# Altium PCB SJ2088POE.PcbDoc (part 4 of 6)
Units mm, origin at the board's own origin, x right, y up, seen from the top; angles counter-clockwise.
Board outline 108 x 50 mm, 6 copper layers (Top Copper, Signal Layer 1, Signal Layer 2, Signal Layer 3, Signal Layer 4, Bottom Copper), stack 1.597 mm thick; 309 components, 234 nets, 1140 pads, 893 vias.
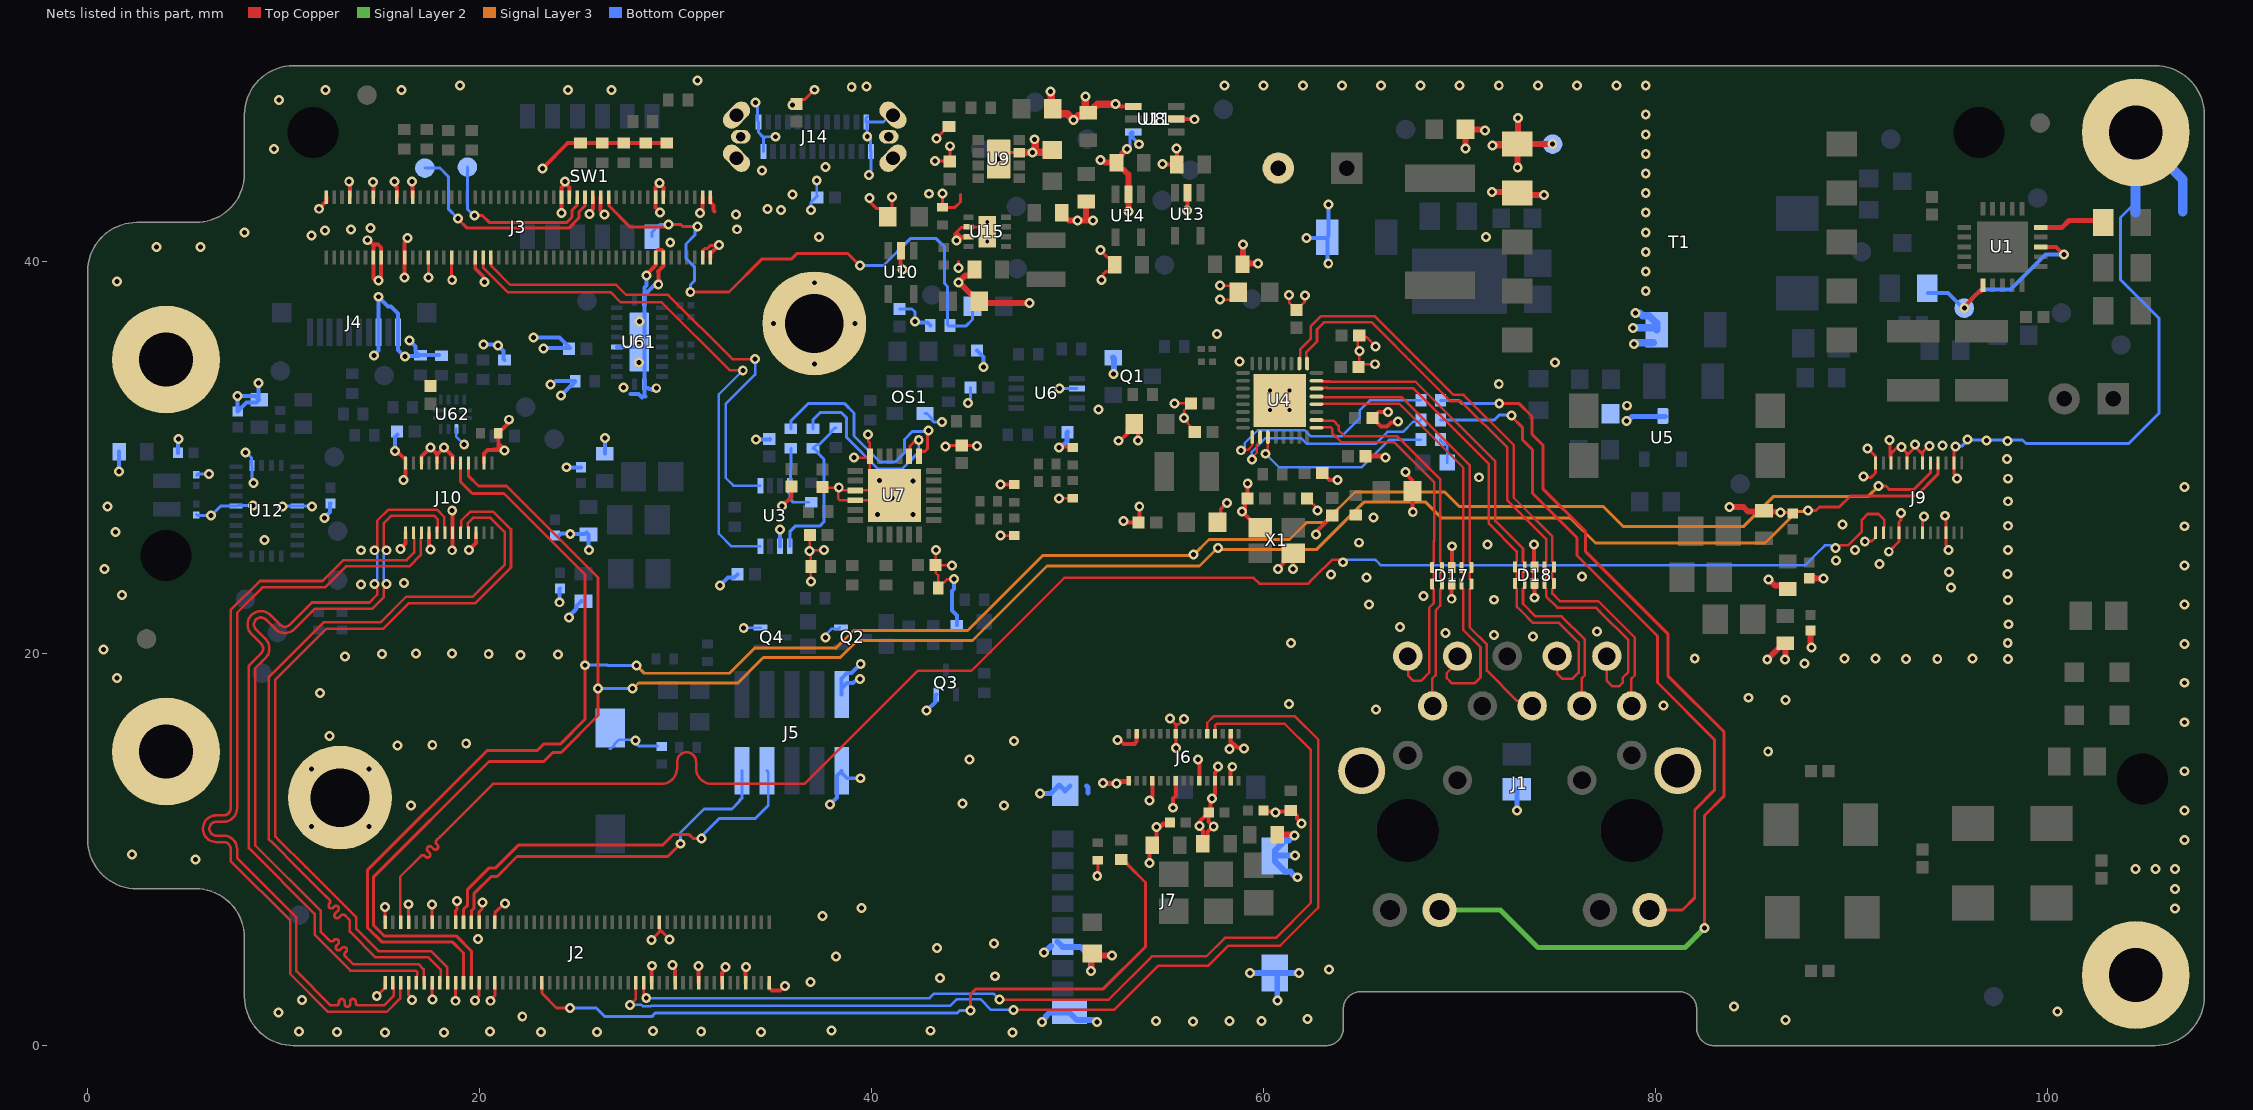
[diagram p8: the nets of this part, all layers, seen from the top]

## Via types
v1: diameter 0.508, hole 0.254, Top Copper to Bottom Copper, tented both sides, 883 vias
v2: diameter 0.406, hole 0.203, Top Copper to Bottom Copper, 10 vias

## Nets (pads, with @x,y where several pads share a name; then routed paths per layer and width w, separated by ;. In a path a pad name is that pad's centre, name@x,y a point inside that pad or via, vN(x,y) a via of type N, cw(c..) or ccw(c..) an arc to the next point about the centre after c; other vN are vias at no path point) (continued)
GND: B1.1 C6.1 C7.2 C9.1 C18.1 C19.1 C20.2 C21.1 C25.2 C27.2 C28.2 C29.2 C30.2 C31.2 C32.1 C34.1 C36.1 C37.1 C38.1 C39.1 C40.1 C41.1 C42.1 C43.1 C44.1 C45.1 C46.1 C47.1 C48.1 C49.1 C50.1 C52.1 C53.1 C55.1 C56.1 C57.2 C58.1 C59.1 C60.1 C61.1 C62.1 C63.1 C64.1 C65.1 C66.1 C67.1 C68.1 C69.1 C70.1 C71.1 C72.1 C73.1 C74.1 C75.1 C76.1 C77.1 C78.1 C79.1 C80.1 C81.1 C82.1 C83.1 C84.1 C85.1 C86.1 C87.1 C88.1 C89.1 C90.1 C91.1 C92.1 C93.1 C94.2 C95.1 C96.1 C97.1 C207.1 D17.3 D17.8 D18.3 D18.8 J1.19 J1.20 J2.1 J2.7 J2.13 J2.19 J2.25 J2.30 J2.31 J2.71 J2.72 J2.75 J2.76 J2.81 J2.82 J2.87 J2.88 J2.93 J2.94 J2.99 J2.100 J3.1 J3.2 J3.3 J3.4 J3.13 J3.14 J3.15 J3.16 J3.30 J3.32 J3.38 J3.40 J3.61 J3.67 J3.73 J3.78 J3.79 J3.82 J3.85 J3.87 J3.88 J3.94 J3.100 J4.8 J4.10 J5.9 J5.10 J6.1 J6.4 J6.7 J6.10 J6.12 J6.14 J6.17 J6.24 J6.29 J7.6 J7.11 J7.12 J7.13 J7.14 J9.3 J9.6 J9.9 J9.12 J9.13 J9.15 J9.17 J9.19 J9.23 J10.3 J10.6 J10.9 J10.12 J10.13 J10.15 J10.17 J10.19 J10.23 J14.A1 J14.A12 J14.B1 J14.B12 J14.SH1 J14.SH2 J14.SH3 J14.SH4 J14.SH5 J14.SH6 MH1.1 MH2.1 MP1.1 MP2.1 MP3.1 MP4.1 OS1.2 Q1.2 Q2.2 Q3.2 Q4.2 R15.1 R19.2 R20.2 R21.2 R22.2 R23.2 R31.2 R32.2 R40.2 R41.1 R42.1 R43.1 R44.2 R45.2 R48.1 R52.1 R62.2 R63.2 R67.1 R69.2 R70.2 R71.2 R81.2 R183.1 R185.2 T1.9 T1.10 TP9.1 U3.2 U4.33 U5.3 U6.2 U7.3 U7.4 U7.24 U7.25 U8.2 U8.4 U9.3 U9.9 U10.2 U11.2 U11.4 U12.2 U12.10 U12.25 U13.2 U14.2 U15.2 U15.3 U15.9 U61.5 U61.11 U61.20 U61.21 U62.10 X1.2 X1.4 | length 389.4
  Top Copper w0.127: C28.2@36.85,26.05 36.85,25.219 v1@36.823,25.192 ; v1(36.9,23.677) 36.9,24.375 R44.2@36.9,24.45 36.9,25.012 36.823,25.089 v1@36.823,25.192 ; v1(37.575,25.278) 37.055,25.278 37.034,25.3 36.926,25.192 v1@36.823,25.192 ; C30.2@37.613,28.477 v1(38.323,28.477) v1@38.423,28.477 ; v1(39.098,30.007) 39.843,30.007 U7.24@39.913,30.077 ; v1(39.822,31.18) 39.822,30.834 39.913,30.743 U7.24@39.913,30.077 ; U7.24@39.827,30.163 U7.24@39.913,30.077 ; v1(43.278,25.285) 43.278,24.542 C29.2@43.263,24.527 ; R45.2@43.4,23.35 R45.2@43.4,23.4 ; v1(44.1,24.5) 43.29,24.5 C29.2@43.263,24.527 ; v1(44.2,23.8) 44.188,23.788 43.838,23.788 43.662,23.612 43.612,23.612 R45.2@43.4,23.4 ; v1(46.565,26.025) R41.1@47.275,26.025 ; v1(49.553,27.927) R43.1@50.263,27.927 ; v1(49.553,30.527) R42.1@50.263,30.527 ; v1(55.452,32.764) C44.1@56.295,32.764 ; v1@55.933,32.063 v1@55.886,32.063 ; C44.1@56.298,32.767 C44.1@56.295,32.764 ; C34.1@56.375,31.5 56.129,31.747 56.129,31.821 v1@55.886,32.063 ; C44.1@56.492,32.831 56.425,32.764 C44.1@56.295,32.764 ; v1(57.775,38.78) 58.372,38.78 C39.1@58.714,38.438 58.339,38.063 v1(57.787,38.063) ; C64.1@58.925,39.875 58.944,39.894 58.955,39.882 C64.1@58.983,39.91 ; v1(61.3,38.3) 61.3,37.91 C41.1@61.681,37.529 62.091,37.938 62.091,38.24 v1(62.117,38.266) ; C49.1@62.223,27.925 62.743,27.405 v1(62.743,27.307) ; v1(65.674,34.768) 65.667,34.775 64.84,34.775 64.887,34.822 v1(64.887,35.454) 64.887,35.557 64.813,35.631 64.813,36.15 65.243,36.15 65.706,35.687 v1(65.706,35.671) ; v1@38.423,28.477 38.3,28.353 38.3,27.901 38.374,27.827 U7.4@39.163,27.827 40.913,27.827 v1(41.038,27.952) U7.25@41.163,28.077 U7.25@40.913,28.327 ; v1@38.423,28.477 38.573,28.327 U7.3@39.163,28.327 U7.25@40.913,28.327 ; U7.24@39.913,30.077 39.913,29.327 v1(40.413,28.827) U7.25@40.913,28.327 ; C29.2@43.263,24.527 43.263,24.127 43.4,23.99 R45.2@43.4,23.4 ; v1@55.886,32.063 55.85,32.1 55.924,32.1 55.95,32.126 55.95,32.42 C44.1@56.295,32.764
  Top Copper w0.152: v1(14.749,2.532) 15.152,2.936 15.161,2.936 15.175,2.95 J2.99@15.175,3.21 ; v1(15.159,7.075) 15.175,7.059 J2.100@15.175,6.29 ; v1(16.37,7.213) 16.37,6.295 J2.94@16.375,6.29 ; J2.93@16.375,3.21 16.375,2.584 16.54,2.419 v1(16.54,2.322) ; J3.73@17.375,40.21 17.388,40.197 v1(17.388,39.189) ; J2.87@17.575,3.21 17.575,2.383 v1(17.603,2.354) ; J2.88@17.574,6.291 v1(17.574,7.196) ; J3.67@18.575,40.21 18.575,39.1 v1(18.6,39.075) ; v1(18.756,2.288) 18.775,2.307 J2.81@18.775,3.21 ; J2.82@18.775,6.29 18.775,6.886 18.855,6.966 v1(18.855,7.382) ; v1(19.762,2.297) 19.762,2.352 19.975,2.564 J2.75@19.975,3.21 ; J2.76@19.975,6.29 19.975,6.827 20.116,6.967 20.116,7.271 v1(20.153,7.308) ; v1(20.545,2.288) 20.545,2.325 20.775,2.555 J2.71@20.775,3.21 ; J2.72@20.775,6.29 20.775,6.775 21.24,7.24 v1(21.284,7.24) ; v1(28.767,5.395) 29.175,5.804 J2.30@29.175,6.29 29.189,6.276 29.189,5.919 v1(29.683,5.424) ; J3.3@31.375,40.21 31.389,40.224 31.389,40.587 31.474,40.672 31.631,40.672 31.792,40.833 v1@32.194,40.833 ; C73.1@36.175,48.05 36.399,48.274 36.589,48.274 v1(37.088,48.773) ; v1(39.903,43.242) 39.903,43.057 40.258,42.701 40.451,42.701 40.825,42.328 C59.1@40.825,42.303 ; C59.1@40.451,41.876 40.825,42.25 C59.1@40.825,42.3 C59.1@40.825,42.303 ; v1(41.028,43.294) 41.028,42.55 41.05,42.528 C59.1@40.825,42.303 ; v1(43.234,45.143) 43.97,45.143 43.998,45.172 v1(43.998,45.891) ; v1(43.299,46.291) 43.701,46.693 43.701,46.701 43.9,46.9 R69.2@43.95,46.9 ; v1@43.614,43.475 R52.1@43.614,42.776 44.259,42.776 44.529,43.046 44.529,43.42 ; v1@43.75,30.6 43.775,30.625 C27.2@44.6,30.625 45.363,30.625 v1(45.386,30.602) ; v1@44.228,41.287 v1@44.302,41.213 ; v1(44.432,39.669) 44.432,40.018 ; C68.1@44.976,39.974 45.25,39.7 C68.1@45.25,39.6 45.25,39.5 C68.1@45.052,39.302 ; v1(46.485,45.233) 46.834,45.583 v1(48.202,45.583) ; C56.1@48.787,46.075 48.837,46.075 C56.1@49.211,45.702 ; C67.1@49.625,42.45 49.899,42.176 49.999,42.176 50.075,42.1 ; 50.85,42.1 50.945,42.195 ; v1(50.905,48.429) 50.945,48.388 C62.1@50.945,47.696 ; v1@51.132,42.168 51.136,42.168 51.2,42.104 51.2,42.1 v1(51.3,42.1) ; v1(51.513,8.645) 51.55,8.682 R70.2@51.55,9.55 ; v1(51.674,40.6) 51.674,40.577 52.026,40.224 52.126,40.224 52.4,39.95 C66.1@52.4,39.85 52.4,39.765 52.126,39.491 51.941,39.491 51.795,39.345 51.795,39.13 v1(51.727,39.062) ; v1(51.678,45.181) 51.775,45.181 51.901,45.054 ; C65.1@52.766,45.473 52.766,45.328 C65.1@52.492,45.054 52.492,44.954 52.766,44.68 52.866,44.68 ; v1(55.227,16.684) 55.523,16.388 ; v1@55.523,15.2 J6.24@55.523,15.912 55.523,16.388 ; v1(55.945,16.675) 55.658,16.388 55.523,16.388 ; v1(71.673,45.93) v1@71.742,46 ; T1.10@72.88,45.93 T1.10@72.95,46 ; v1@86.374,27.188 86.384,27.198 86.952,27.198 C88.1@87,27.15 ; v1(90.6,29.039) 90.661,29.039 90.668,29.032 90.835,29.032 90.867,29 91,29 91.223,29.223 J9.13@91.223,29.725 91.223,30.077 90.841,30.459 v1(90.822,30.459) ; v1@90.768,25.697 90.814,25.743 91.039,25.743 91.221,25.925 91.223,25.927 J9.12@91.223,26.175 ; v1(91.9,25.2) 92.423,25.723 J9.9@92.423,26.175 92.423,26.723 92.517,26.817 92.517,27.157 v1(92.536,27.176) ; v1@91.964,30.884 91.964,30.033 92.023,29.974 92.023,30.223 92.296,30.496 92.565,30.496 92.823,30.238 92.823,30.106 ; J9.17@92.823,29.725 92.823,30.106 ; J9.6@93.623,26.175 93.623,26.827 93.7,26.904 v1(93.7,27) ; J9.19@93.623,29.725 93.623,30.174 ; v1@93.963,30.619 93.623,30.279 93.623,30.174 ; v1(94.771,27.037) 94.867,27.037 94.9,27.004 94.823,26.927 J9.3@94.823,26.175 94.823,25.521 94.958,25.386 v1(94.958,25.29) ; v1(95.308,30.57) 95.308,30.474 95.223,30.389 J9.23@95.223,29.725 95.223,29.177 95.377,29.023 v1(95.377,28.927) ; v1@44.302,41.213 44.36,41.272 44.228,41.404 44.316,41.492 ; v1@44.302,41.213 v1@44.36,41.155 ; v1@44.301,41.213 44.339,41.175 v1@44.339,41.133 ; 44.316,41.492 44.337,41.492 44.554,41.275 U15.3@44.95,41.275 ; 44.316,41.492 44.57,41.746 44.921,41.746 U15.2@44.95,41.775 45.65,41.775 U15.9@45.9,41.525 45.65,41.275 U15.3@44.95,41.275 ; v1@44.339,41.133 v1(44.339,41.078) 44.335,41.078 44.327,41.07 44.301,41.096 v1@44.339,41.133 ; v1@44.339,41.133 v1@44.36,41.155 ; v1@44.36,41.155 44.369,41.146 44.503,41.146 44.568,41.211 44.886,41.211 U15.3@44.95,41.275 ; 92.823,30.106 93.257,30.54 93.623,30.174
  Top Copper w0.203: v1(11.8,42.7) 12.142,43.042 12.163,43.042 12.175,43.053 J3.100@12.175,43.29 ; v1(13.344,44.093) 13.375,44.062 J3.94@13.375,43.29 ; v1(14.281,41.095) 14.333,41.095 14.552,40.875 ; v1(14.563,44.074) 14.563,44.01 14.499,43.945 14.575,43.869 J3.88@14.575,43.29 ; v1(15.66,44.094) 15.66,43.964 15.625,43.93 15.775,43.78 J3.82@15.775,43.29 ; v1(15.683,30.341) 15.759,30.341 16.152,29.948 16.196,29.948 16.223,29.922 J10.13@16.223,29.725 16.223,29.03 16.125,28.932 v1(16.125,28.85) ; v1(15.95,25.35) 16.223,25.623 J10.12@16.223,26.175 ; v1(16.158,39.189) 16.175,39.206 J3.79@16.175,40.21 16.175,40.982 16.324,41.131 v1(16.324,41.214) ; v1@16.526,43.976 16.549,43.999 v1(16.549,44.087) ; v1@16.527,43.975 16.575,44.023 J3.78@16.575,43.29 ; J10.15@17.023,29.725 17.023,30.062 v1(17.489,30.529) 17.823,30.195 17.823,30.169 ; J10.9@17.423,26.175 17.423,25.485 17.5,25.407 v1(17.5,25.325) ; J10.17@17.823,29.725 17.823,30.169 ; v1(18.6,25.275) 18.623,25.298 J10.6@18.623,26.175 18.623,27.277 v1(18.6,27.3) ; J10.19@18.623,29.725 18.623,30.076 v1(18.176,30.523) 17.823,30.169 ; v1(19.464,25.286) 19.823,25.645 J10.3@19.823,26.175 ; J3.61@19.775,40.21 19.775,39.65 20.183,39.242 20.183,39.022 v1(20.241,38.964) ; J10.23@20.223,29.725 20.223,30.223 20.4,30.4 20.675,30.4 ; v1@21.242,30.299 21.27,30.327 v1(21.27,30.373) ; v1(21.505,31.935) 21.447,31.877 21.447,31.747 21.123,31.423 21.073,31.423 20.95,31.3 R71.2@20.95,31.25 20.95,30.719 ; v1(23.199,44.755) 24.494,46.05 R23.2@25.15,46.05 R22.2@26.25,46.05 R21.2@27.35,46.05 R20.2@28.475,46.05 R19.2@29.55,46.05 ; v1@24.179,42.52 24.175,42.523 J3.40@24.175,43.29 24.175,43.793 24.35,43.968 v1@24.35,44.004 ; v1(24.355,44.094) 24.355,44.009 v1@24.35,44.004 ; J3.38@24.575,43.29 24.575,43.779 v1@24.35,44.004 ; v1(25.6,42.425) 25.6,42.507 25.775,42.682 J3.32@25.775,43.29 ; J3.30@26.175,43.29 26.175,42.582 26.35,42.408 v1(26.38,42.408) ; v1@28.667,39.49 28.975,39.798 J3.15@28.975,40.21 28.975,40.481 29.094,40.6 29.3,40.6 29.375,40.525 J3.13@29.375,40.21 29.375,39.773 29.1,39.498 29.113,39.484 v1@29.113,38.977 ; J2.31@28.775,3.21 28.775,4.055 v1(28.794,4.074) ; v1(29.113,38.826) v1@29.113,38.977 ; v1@29.186,39.049 v1@29.113,38.977 ; v1(29.2,42.5) v1@29.2,42.546 ; v1@29.2,42.582 v1@29.2,42.546 ; J3.14@29.375,43.29 29.375,43.779 29.175,43.979 28.975,43.779 J3.16@28.975,43.29 28.975,42.771 v1@29.2,42.546 ; v1(29.836,4.113) 29.836,4.031 29.975,3.892 J2.25@29.975,3.21 ; v1(31.172,4.062) 31.175,4.059 J2.19@31.175,3.21 ; v1@31.225,42.525 31.375,42.675 J3.4@31.375,43.29 ; J3.1@31.775,40.21 31.775,40.447 31.787,40.458 31.819,40.458 32.194,40.833 v1(32.212,40.851) ; J3.2@31.775,43.29 31.775,43.025 31.92,42.88 31.92,42.628 31.979,42.57 ; J2.13@32.375,3.21 32.375,3.7 32.553,3.878 v1@32.553,3.96 ; J2.7@33.575,3.21 33.575,3.982 v1@33.585,3.992 ; J2.1@34.775,3.21 34.775,2.95 34.925,2.8 35.316,2.8 35.562,3.046 v1(35.588,3.046) ; v1(35.432,27.528) 35.904,28 C32.1@35.904,28.529 ; U7.25@41.188,28.502 U7.25@41.188,29.252 ; U10.2@41.5,40.55 41.482,40.532 41.482,39.714 41.571,39.624 v1(41.571,39.604) ; C60.1@45.117,38.373 45.152,38.373 45.202,38.323 C60.1@45.5,38.025 ; C60.1@45.5,37.975 C60.1@45.5,38.025 ; C60.1@45.644,37.881 C60.1@45.5,38.025 ; v1(46.565,28.625) R40.2@47.275,28.625 ; v1(52.446,48.044) 52.528,48.044 52.647,47.925 U8.4@53.345,47.925 ; v1@52.593,15.605 52.65,15.605 52.865,15.39 53.404,15.39 53.523,15.509 J6.29@53.523,15.912 ; v1(52.606,30.863) 52.674,30.863 53.055,31.245 53.055,31.37 C21.1@53.404,31.718 53.603,31.518 v1(53.603,30.872) ; v1(52.855,26.775) 52.937,26.775 53.013,26.7 C37.1@53.625,26.7 53.668,26.743 53.668,27.495 v1(53.656,27.507) ; v1@54.172,9.35 54.172,10.265 C77.1@54.257,10.35 ; v1(54.187,12.5) 54.187,12.569 54.323,12.705 J6.4@54.323,13.512 ; C77.1@54.35,10.35 54.53,10.53 54.53,11.005 54.585,11.06 54.615,11.06 v1@54.723,11.168 ; v1(54.85,44.983) 54.749,44.983 54.727,44.961 C63.1@55.575,44.961 55.575,45.925 55.566,45.916 v1(55.566,45.773) ; v1@55.315,12.201 55.329,12.187 55.379,12.187 55.379,12.602 ; 55.378,12.603 55.523,12.748 J6.7@55.523,13.512 ; U8.2@55.545,47.275 56.469,47.275 v1(56.478,47.267) ; v1(56.098,42.601) 56.125,42.628 U13.2@56.125,43.525 ; v1(56.657,14.592) 56.657,14.519 56.651,14.513 56.723,14.441 J6.10@56.723,13.512 ; v1@56.7,11.2 v1@56.758,11.258 ; v1@57.338,12.582 v1@57.28,12.524 ; C36.1@57.65,26.7 57.814,26.864 57.814,27.386 v1(58.126,27.697) ; v1(57.668,14.234) 57.668,14.135 57.701,14.102 57.523,13.924 J6.12@57.523,13.512 57.523,12.849 57.28,12.606 v1@57.28,12.524 ; v1(58.27,15.128) 58.323,15.181 58.323,15.546 ; J6.14@58.323,13.512 58.323,14.217 58.334,14.228 v1(58.402,14.228) ; J6.17@58.323,15.912 58.323,15.546 ; v1(58.908,27.257) 58.908,27.24 v1@58.968,27.18 ; v1(59.007,15.171) 58.969,15.209 58.661,15.209 58.323,15.546 ; v1@59.025,27.18 v1@58.968,27.18 ; v1@59.049,27.214 59.049,27.801 C48.1@59.173,27.925 59.191,27.943 v1(59.191,28.688) ; X1.4@59.823,26.425 59.723,26.425 59.325,26.823 v1@58.968,27.18 ; C69.1@60,12 60.05,11.95 60.55,11.95 v1(60.6,11.9) 60.65,11.95 61.2,11.95 61.25,12 61.437,12 61.7,11.737 61.7,11.593 61.943,11.35 v1(61.943,11.322) ; v1(60.726,24.32) 60.726,24.328 61.025,24.627 61.025,24.727 61.423,25.125 X1.2@61.523,25.125 61.493,25.095 v1(61.493,24.32) ; v1(62.668,26.069) 62.668,26.204 63.292,26.828 63.292,26.842 C46.1@63.5,27.05 ; C45.1@62.995,29.225 63.353,28.867 v1(63.763,28.867) ; R48.1@64.7,27.075 64.75,27.075 64.923,26.902 R48.1@64.923,26.894 ; v1@66.081,30.075 66.14,30.016 v1(66.223,30.016) ; v1(66.355,32.327) 65.862,32.327 C42.1@65.56,32.025 65.985,31.6 66.3,31.6 66.505,31.805 66.815,31.805 v1(66.852,31.841) ; v1@67.236,29.374 67.238,29.372 67.236,29.371 v1(67.236,29.274) 67.236,29.209 67.6,28.846 C38.1@67.6,28.3 67.6,27.231 v1(67.612,27.219) ; v1(69.6,22.8) D17.3@69.6,23.557 D17.8@69.6,24.392 69.619,24.412 v1(69.619,25.48) ; v1@70.3,45.779 v1(70.306,45.773) ; v1@71.25,46.75 v1(71.3,46.7) ; T1.9@72.883,43.562 72.885,43.565 T1.9@72.95,43.5 T1.9@73.05,43.4 ; T1.10@72.968,45.982 T1.10@72.95,46 T1.10@72.973,46.023 ; v1(73.788,25.575) 73.788,23.627 D18.3@73.825,23.59 73.825,23.057 74,22.882 73.97,22.853 v1(73.827,22.853) ; 14.552,40.875 14.575,40.852 J3.87@14.575,40.21 14.575,39.144 14.687,39.032 v1(14.835,39.032) 14.835,38.966 14.861,38.941 14.975,39.056 J3.85@14.975,40.21 14.975,40.725 14.825,40.875 14.552,40.875 ; 20.675,30.4 20.95,30.4 20.95,30.427 ; 20.675,30.4 20.702,30.427 20.95,30.427 ; 20.95,30.427 20.95,30.719 ; 20.95,30.427 21.004,30.373 v1(21.27,30.373) ; 20.95,30.719 21.27,30.399 v1(21.27,30.373) ; v1@56.758,11.258 56.758,11.082 56.9,10.94 C72.1@56.9,10.3 57.13,10.53 57.13,10.895 57.406,11.172 57.406,11.225 57.2,11.432 C71.1@57.2,11.9 ; v1@56.758,11.258 56.758,11.458 C71.1@57.2,11.9 ; C71.1@57.2,11.9 57.28,11.98 v1@57.28,12.524
  Top Copper w0.254: v1(51.8,13.4) 51.816,13.384 v1(52.5,13.384) 52.569,13.384 52.653,13.468 53.106,13.468 53.123,13.485 J6.1@53.123,13.512 ; v1@54.723,11.168 54.872,11.317 55.042,11.317 C75.1@55.175,11.45 ; v1@55.523,15.2 v1(55.532,15.191) ; C40.1@65.2,30.075 v1@66.081,30.075
  Top Copper w0.3: v1(51.2,3.8) 51.229,3.829 51.229,4.679 51.304,4.603 v1(52.256,4.603) ; C70.1@60.7,10.75 60.725,10.775 61.46,10.775 61.522,10.713 v1(61.578,10.713) ; v1(83.775,27.481) 84.484,27.481 84.717,27.248 C89.1@85.572,27.248 ; C89.1@85.531,27.288 C89.1@85.572,27.248 ; v1(85.7,19.7) 86.525,20.525 C85.1@86.625,20.525 86.625,19.725 v1(86.6,19.7) ; v1(85.772,23.795) 86.09,23.476 86.574,23.476 C87.1@86.75,23.3 ; v1@86.299,27.164 86.333,27.198 v1@86.343,27.198 ; v1@86.316,27.171 v1@86.343,27.198 ; v1@86.374,27.188 v1(86.374,27.198) ; v1@86.384,27.198 v1@86.392,27.207 ; C84.1@87.9,21.175 87.9,20.41 87.948,20.361 v1(87.948,20.305) ; C86.1@88,23.85 88.053,23.903 88.129,23.827 v1@88.536,23.827 ; C89.1@85.572,27.248 85.582,27.238 86.334,27.238 v1(86.374,27.198) ; v1@86.343,27.198 v1(86.374,27.198)
  Top Copper w0.305: C68.1@45.052,39.302 44.792,39.302 v1(44.431,38.942) 44.456,38.942 45.075,38.323 C60.1@45.202,38.323 ; C60.1@45.644,37.881 v1(48.065,37.881) ; 50.075,42.1 v1(50.5,42.1) 50.85,42.1 v1@51.132,42.1 ; 50.945,42.195 C61.1@50.945,43.075 ; 51.901,45.054 C65.1@52.492,45.054 ; C65.1@52.766,45.473 v1(53.033,45.74) ; 52.866,44.68 53.1,44.446 U14.2@53.1,43.45 v1@53.1,42.6 ; C64.1@58.944,39.894 v1(58.944,40.882) ; C64.1@58.983,39.91 v1(59.708,39.91) ; v1@70.3,45.779 C9.1@70.3,46.75 v1@71.25,46.75 ; v1(71.656,43.562) T1.9@72.883,43.562 ; v1(71.673,45.93) T1.10@72.88,45.93 ; v1@71.742,46 T1.10@72.95,46 v1(74.75,46) ; v1(72.968,44.796) T1.10@72.968,45.982 ; T1.10@72.973,46.023 v1(72.973,47.328) ; T1.9@73.05,43.4 v1(74.3,43.4)
  Top Copper w0.381: U9.3@47.535,45.558 47.547,45.571 48.19,45.571 v1(48.202,45.583) ; v1(48.319,46.247) 48.339,46.227 48.339,45.754 48.202,45.617 v1(48.202,45.583) ; v1(49.131,48.686) 49.156,48.662 49.156,47.894 C57.2@49.25,47.8 49.508,47.542 49.988,47.542 v1(50.296,47.235) 50.33,47.235 50.532,47.437 50.886,47.437 C62.1@51.045,47.596 50.945,47.696 50.905,47.737 v1(50.905,48.429) ; C56.1@49.211,45.702 49.092,45.583 v1(48.202,45.583) ; C62.1@51.145,47.596 51.305,47.756 51.305,47.821 51.528,48.044 v1(52.446,48.044)
  Bottom Copper w0.127: U62.10@18.815,31.465 18.815,31.06 v1(19.212,30.662) ; v1(24.55,21.85) 24.932,22.232 24.932,22.31 24.932,22.392 24.952,22.412 25.218,22.679 C79.1@25.3,22.679 ; 26.65,15.15 26.7,15.15 26.862,15.312 26.862,15.362 27.115,15.615 27.906,15.615 v1(27.945,15.577) ; U61.21@27.9,35.648 U61.21@28.15,35.898 ; v1(33.474,21.309) 33.49,21.325 Q4.2@34.33,21.325 ; v1(37.64,20.818) 37.64,20.959 37.943,21.262 38.306,21.262 Q2.2@38.385,21.341
  Bottom Copper w0.152: C95.1@5.55,27.1 5.6,27.05 v1(6.3,27.05) 6.788,27.538 U12.25@7.563,27.538 ; C96.1@5.575,29.1 5.575,29.123 5.627,29.175 v1(6.2,29.175) ; U12.25@7.625,27.525 7.65,27.55 v1(8.425,27.55) ; v1@8.125,30.225 8.347,30.003 8.347,29.628 U12.2@8.375,29.6 8.375,28.975 v1@8.45,28.9 ; v1@10,27.525 10.675,27.525 U12.10@10.687,27.538 11.362,27.538 v1@11.425,27.475 ; v1(27.945,15.577) 27.945,15.45 28.095,15.3 R81.2@29.075,15.3 ; v1(34.069,48.127) 34.178,48.018 34.178,47.179 J14.A12@34.225,47.132 34.225,46.6 34.45,46.375 34.575,46.375 ; J14.B1@34.475,45.622 34.475,46.275 34.575,46.375 ; v1(35.1,46.375) 34.575,46.375 ; v1(36.907,42.647) 36.907,43.032 C207.1@37.225,43.35 ; v1(37.2,44.145) 37.2,43.385 C207.1@37.235,43.35 ; v1(39.776,46.38) v1@39.837,46.38 ; J14.A1@39.798,47.404 39.725,47.33 J14.A1@39.725,47.132 ; v1(39.856,44.433) 39.856,44.529 39.975,44.648 J14.B12@39.975,45.622 39.948,45.649 39.948,46.342 39.909,46.38 v1@39.837,46.38 ; J14.SH1@41.095,47.477 40.951,47.477 40.606,47.132 J14.A1@39.725,47.132 ; C20.2@41.428,37.59 42.06,37.59 42.208,37.442 42.208,36.955 v1(42.21,36.953) ; OS1.2@42.725,32.25 42.825,32.25 43.074,32.001 43.074,31.918 43.163,31.829 v1@43.552,31.829 ; v1(44.92,32.791) 44.92,32.887 45.05,33.017 C53.1@45.05,33.575 ; v1(49.578,33.52) 49.583,33.525 U6.2@50.475,33.525 ; v1(53.033,45.74) 53.04,45.74 53.174,45.875 53.174,46.526 53.273,46.625 U11.4@53.345,46.625 53.345,46.295 v1(53.648,45.992) ; U5.3@80.375,32.125 80.475,32.125 U5.3@80.5,32.1 ; v1(95.308,30.57) 95.34,30.603 95.653,30.603 95.95,30.9 98.725,30.9 98.9,30.725 104.15,30.725 105.7,32.275 105.7,37.1 103.725,39.075 103.725,42.25 104.5,43.025 ; J14.A1@39.725,47.132 39.771,47.086 39.771,46.614 39.921,46.465 v1@39.837,46.38
  Bottom Copper w0.203: v1(1.6,29.3) 1.6,30.296 C92.1@1.606,30.302 ; C93.1@4.6,30.25 4.6,30.925 v1(4.625,30.95) ; v1(8.725,33.818) C90.1@8.725,32.975 ; v1(12.074,26.925) 12.369,27.22 12.369,27.654 C94.2@12.382,27.666 ; v1(14.598,35.202) 14.598,35.219 14.842,35.462 J4.8@14.842,36.405 ; v1(14.83,38.21) v1@14.83,38.201 ; v1(15.683,30.341) 15.683,31.058 C76.1@15.8,31.175 ; v1(16.429,35.972) 16.726,35.676 16.726,35.413 16.899,35.24 R31.2@16.915,35.24 ; R32.2@17.915,35.24 R31.2@16.915,35.24 ; v1(20.191,35.763) 20.914,35.763 v1(20.945,35.733) 21.227,35.451 21.227,35.027 R183.1@21.264,34.99 ; v1(22.736,36.123) 24.077,36.123 24.6,35.6 23.278,35.6 v1(23.251,35.574) ; v1(23.611,33.737) 23.694,33.737 23.857,33.9 R185.2@24.875,33.9 24.875,33.85 24.702,33.677 24.656,33.677 v1(24.143,33.164) ; C80.1@24.05,26.029 24.146,26.125 24.661,26.125 v1@24.635,26.099 ; v1(24.079,22.622) 24.079,23.308 C78.1@24.1,23.329 ; v1(24.422,29.511) 24.427,29.506 C82.1@25.175,29.506 ; v1(24.55,21.85) 24.55,21.929 24.932,22.31 24.952,22.33 24.952,22.412 24.952,22.43 25.2,22.679 C79.1@25.218,22.679 ; v1(24.622,26.099) v1@24.635,26.099 ; v1(25.588,25.296) 25.556,25.327 25.556,26.072 C81.1@25.55,26.079 25.445,26.183 25.361,26.099 v1@24.635,26.099 ; C83.1@26.388,30.205 26.388,30.989 v1(26.403,31.004) ; U61.5@27,35.648 U61.21@27.9,35.648 ; v1(27.336,33.591) 27.36,33.591 v1@27.467,33.484 ; 27.705,33.245 28.111,33.245 28.281,33.075 28.4,33.194 ; U61.21@28.15,35.898 U61.21@28.4,36.148 ; 28.469,33.125 28.4,33.194 ; v1(28.513,39.302) 28.513,38.788 28.4,38.675 U61.11@28.4,38.298 ; v1@28.788,33.444 v1@28.847,33.503 ; v1(29.011,33.543) v1@28.941,33.543 ; v1(29.113,38.826) 29.113,38.985 29.1,38.998 U61.11@28.4,38.298 ; v1(32.259,23.476) 32.669,23.886 32.986,23.886 C18.1@33.15,24.05 ; v1(34.096,30.919) 33.976,30.919 33.958,30.938 34.813,30.938 C19.1@34.825,30.95 ; U3.2@35.323,25.475 35.323,26.323 v1(35.325,26.325) ; v1(37.873,12.296) 37.873,12.32 38.224,12.671 38.224,13.774 J5.10@38.475,14.025 38.475,13.921 38.753,13.642 v1(39.424,13.642) ; J5.9@38.475,17.925 J5.9@38.475,18.212 ; v1(39.4,18.7) 39.342,18.642 39.192,18.642 39.041,18.491 38.753,18.491 J5.9@38.475,18.212 ; v1(39.444,19.482) 38.983,19.021 38.753,19.021 38.475,18.743 J5.9@38.475,18.212 ; v1(42.21,36.953) 42.278,36.953 42.338,36.892 42.851,36.892 R63.2@42.993,36.75 ; v1(42.801,17.092) 43.252,17.543 43.252,17.867 Q3.2@43.3,17.915 ; v1(44.2,23.8) 44.2,23.3 44.1,23.2 44.1,22.2 44.35,21.95 R62.2@44.35,21.45 ; C31.2@45.375,35.475 45.707,35.143 v1(45.707,34.637) ; U11.2@55.545,47.275 56.469,47.275 v1(56.478,47.267) ; v1(62.2,41.2) 63.203,41.2 C6.1@63.25,41.25 ; v1(63.3,39.9) 63.251,39.949 C6.1@63.25,41.25 ; v1(63.301,42.929) 63.301,41.301 C6.1@63.25,41.25 C6.1@63.25,41.25 ; C50.1@72.925,13.075 72.904,13.054 C50.1@72.939,13.019 ; C90.1@8.725,32.975 8.543,33.157 v1(7.644,33.157) 7.644,32.359 C91.1@7.653,32.35 8.114,32.811 8.611,32.811 C90.1@8.75,32.95 C90.1@8.725,32.975 ; 14.83,37.704 14.842,37.693 J4.8@14.842,36.405 ; 14.83,37.704 v1@14.83,38.201 ; 14.83,37.704 14.83,36.417 J4.8@14.842,36.405 ; v1@14.83,38.201 15.316,37.716 15.484,37.716 15.842,37.358 J4.10@15.842,36.405 15.842,35.492 v1(16.182,35.152) 16.226,35.196 16.871,35.196 R31.2@16.915,35.24 ; 28.4,33.194 U61.20@28.4,33.573 ; U61.20@28.4,33.573 U61.20@28.4,33.748 U61.21@28.4,36.148 ; U61.20@28.4,33.573 28.423,33.55 28.598,33.55 28.646,33.503 v1@28.847,33.503 ; U61.21@28.4,36.148 U61.11@28.4,38.048 U61.11@28.4,38.298 ; v1@28.847,33.503 28.9,33.503 v1@28.941,33.543 ; v1@28.847,33.503 28.887,33.543 v1@28.941,33.543